# KiCad board DG Nova PSU Connector Board w_start-up sequence.kicad_pcb
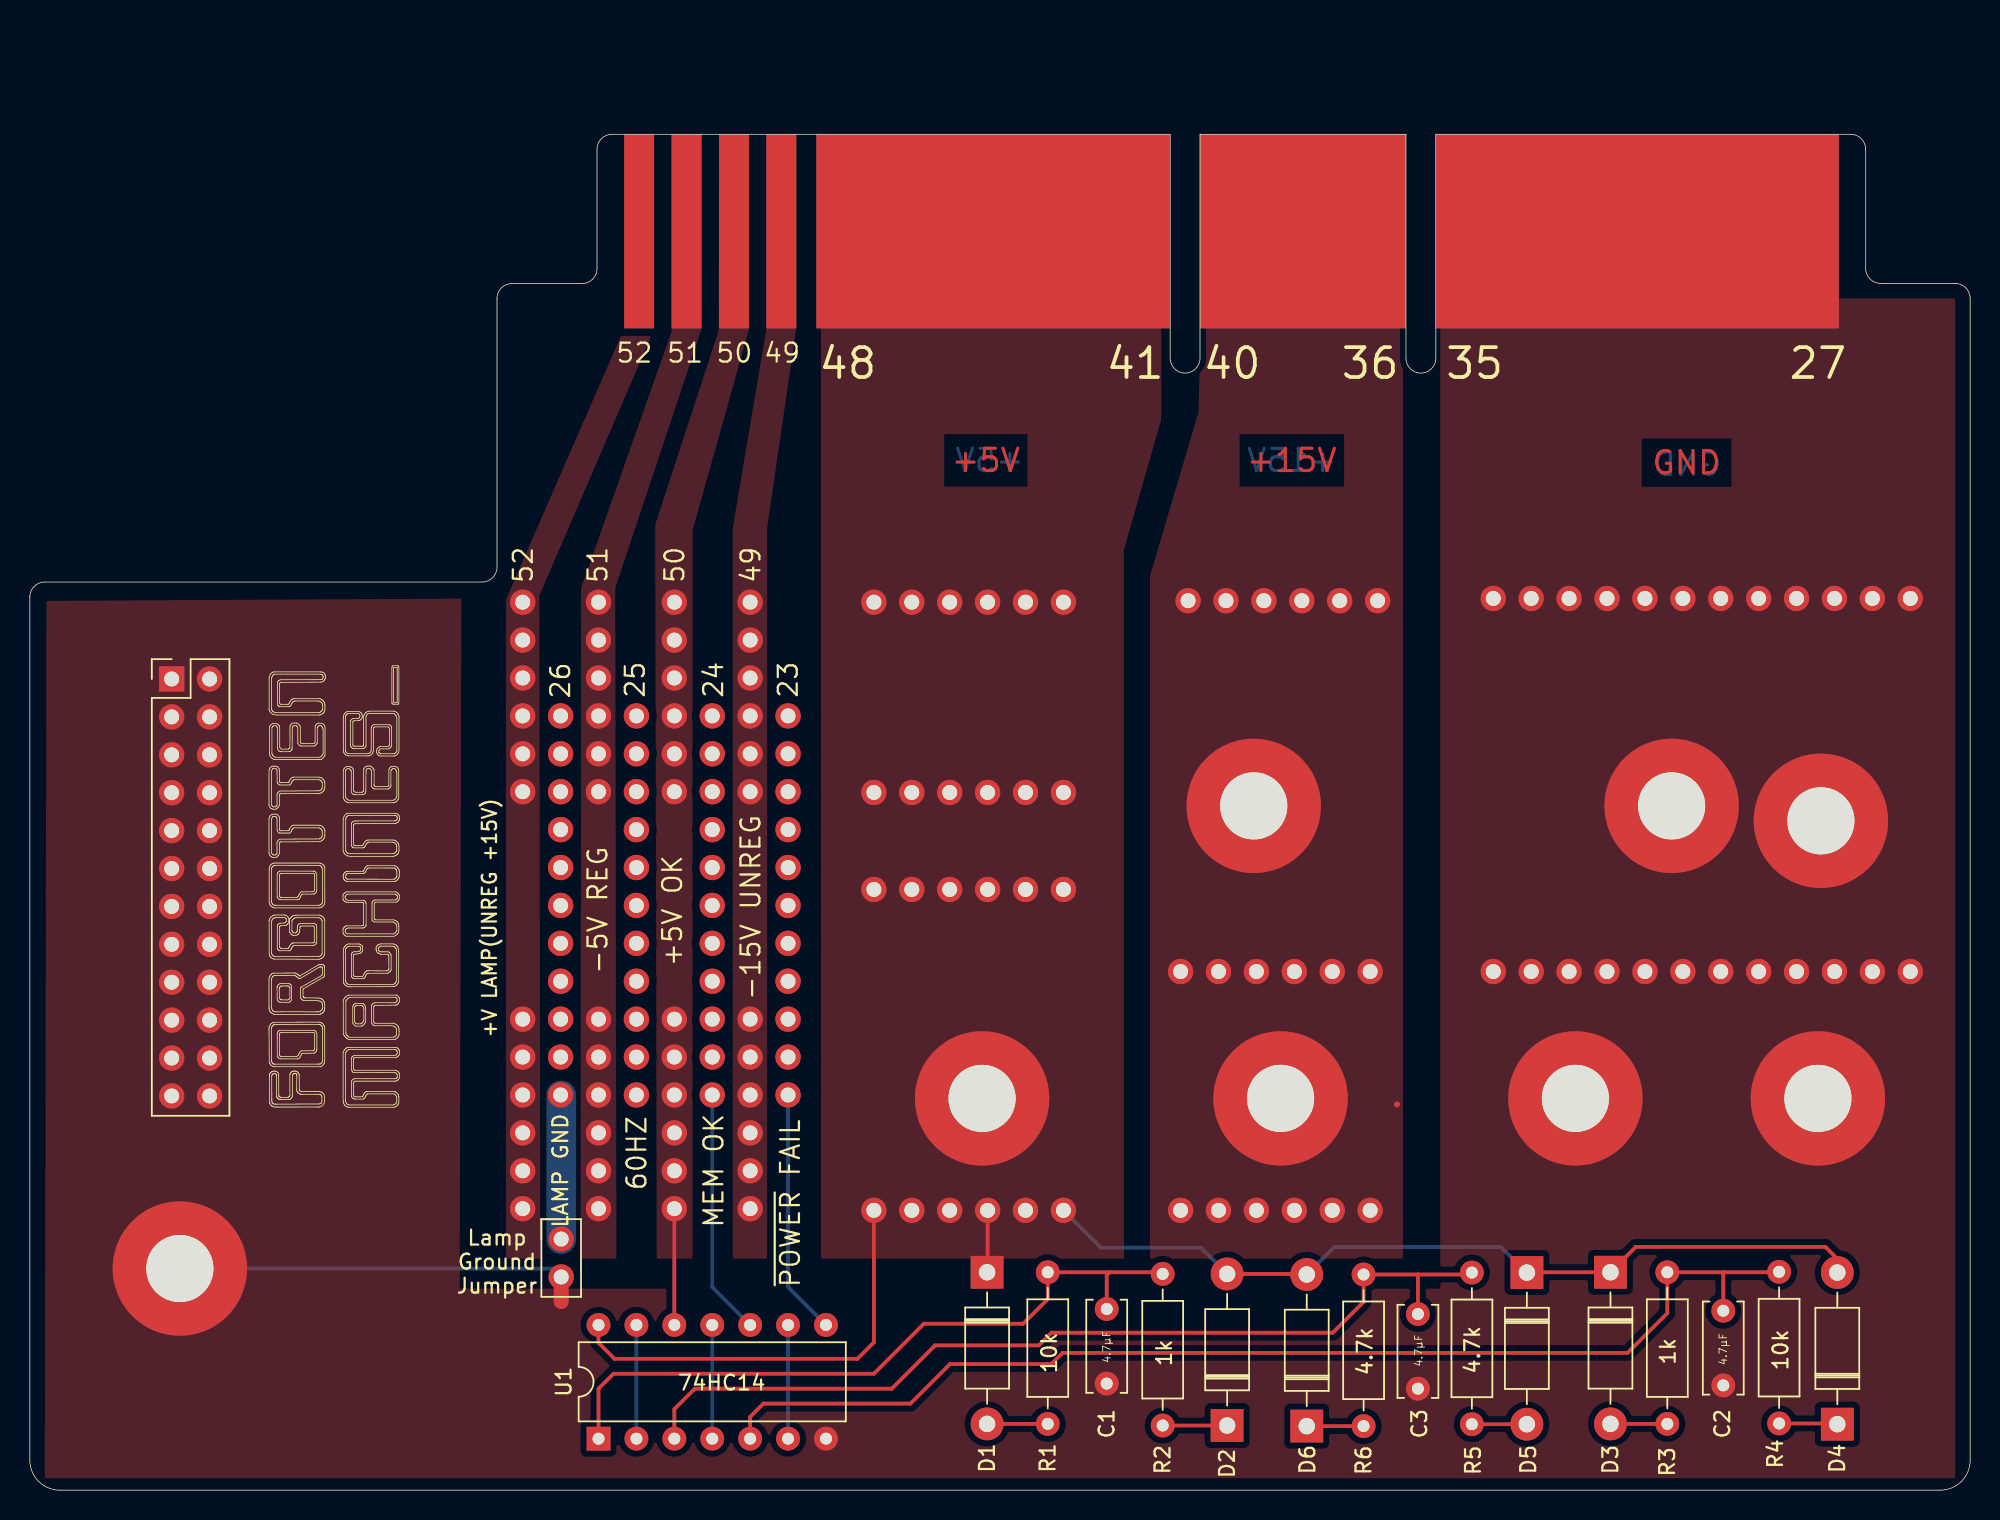
[diagram p0: board, top side]
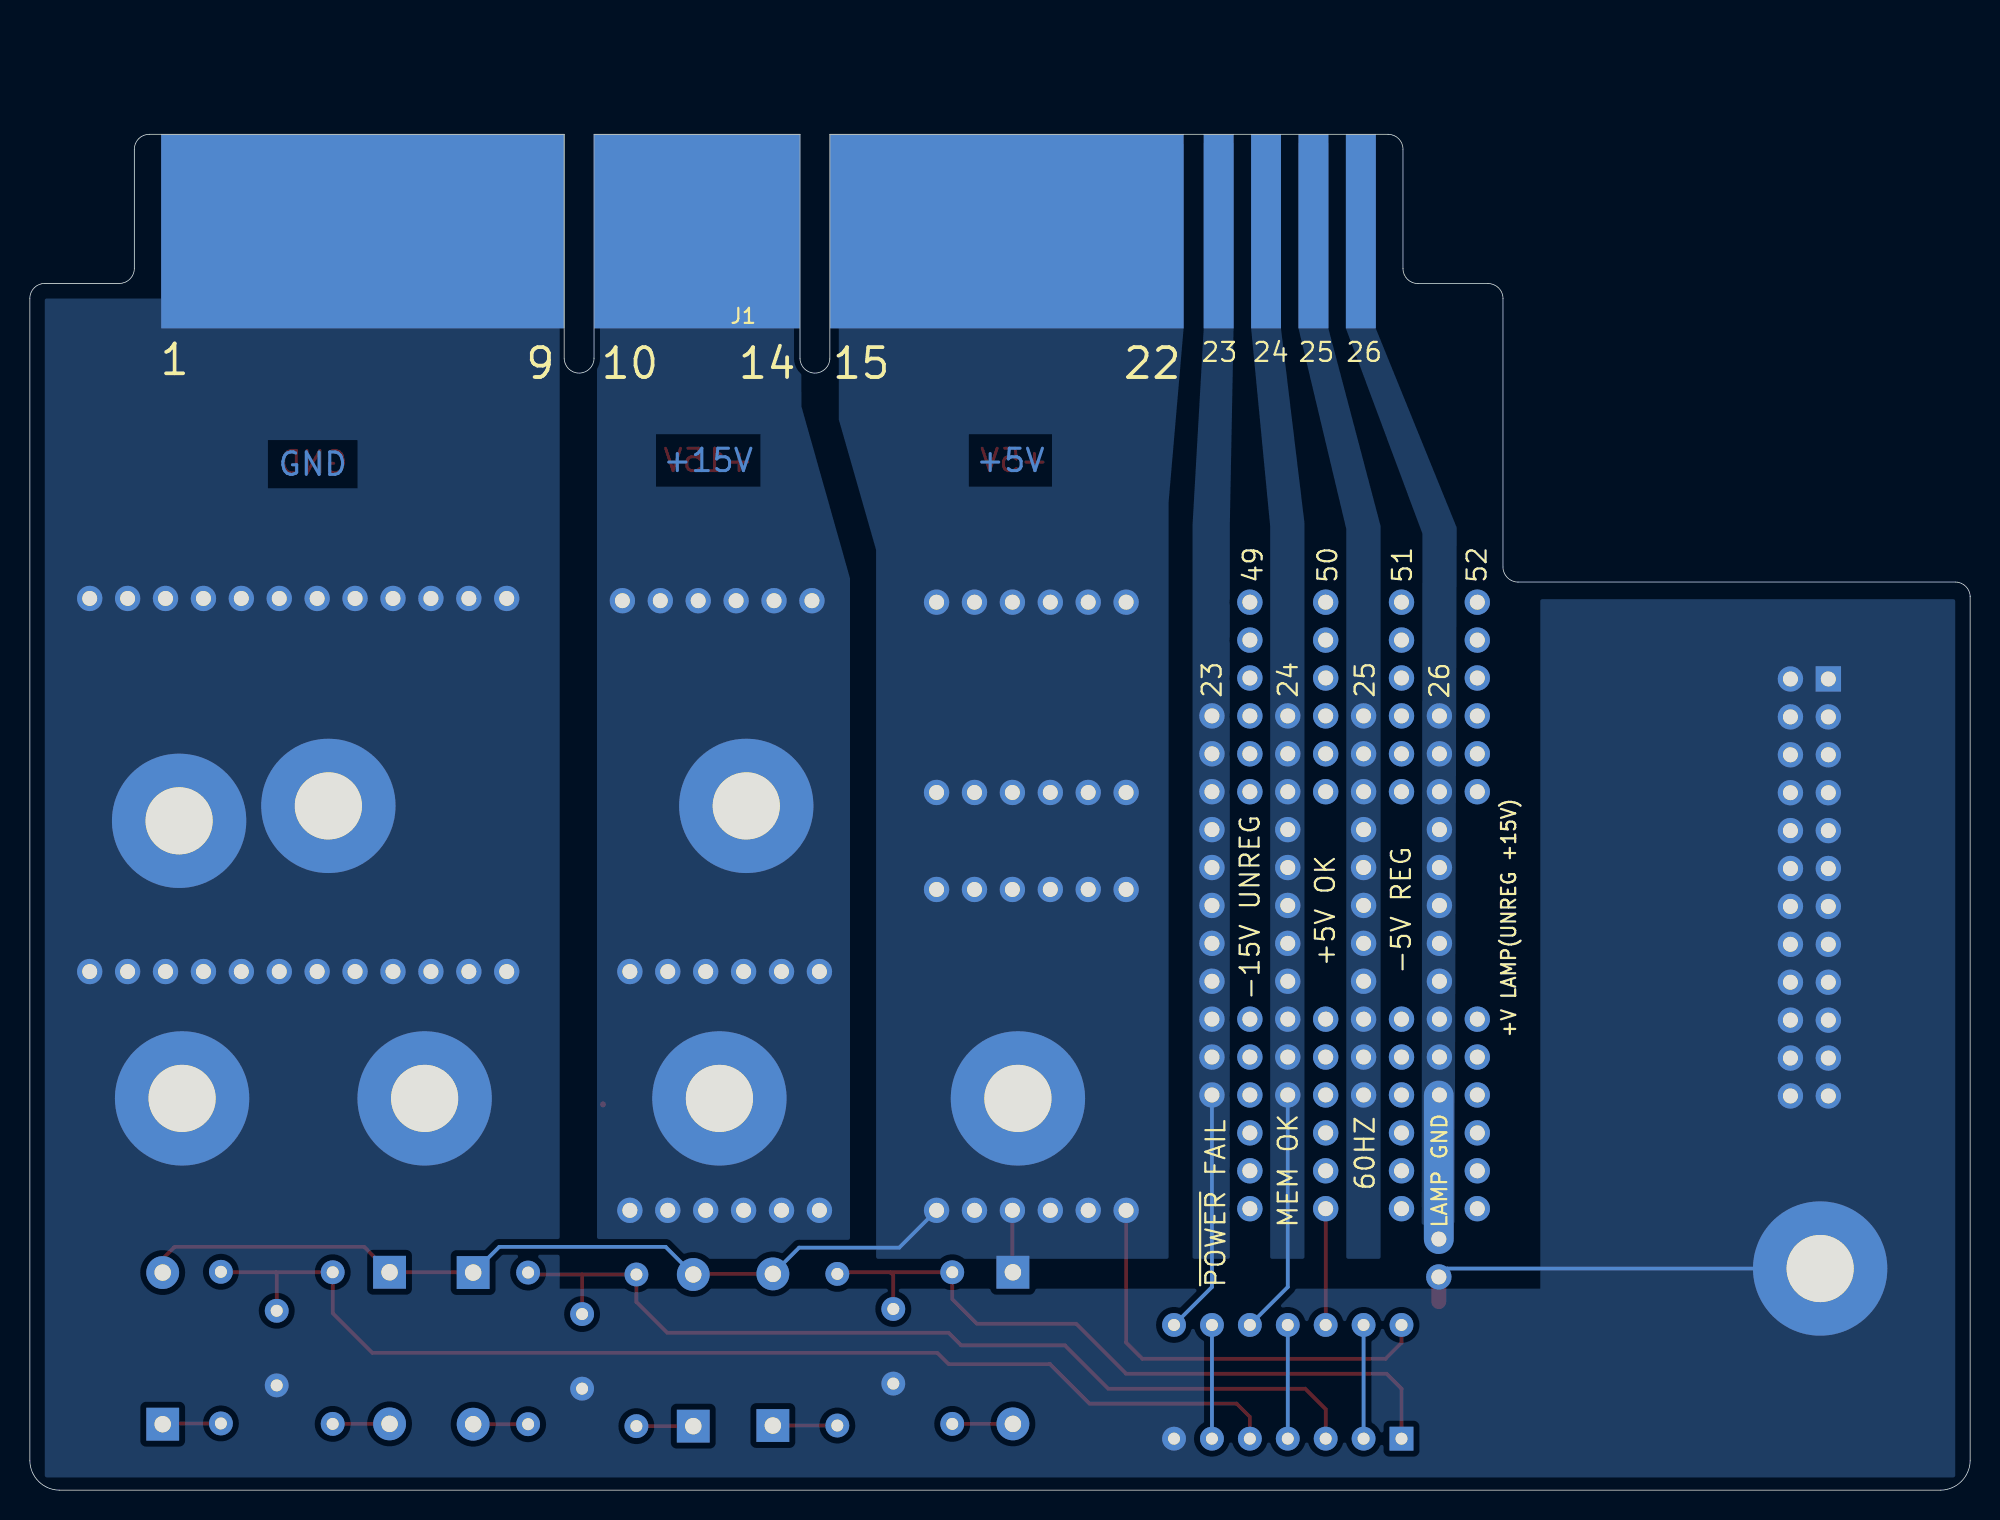
[diagram p1: board, bottom side, seen from below]

Outline 130 x 90.85 mm; copper layers: Top, Bottom. Coordinates in mm from the lower left corner of the outline.
Outline path: 0,59.85 arc(0.29,60.56) 1,60.85 30.29,60.85 arc(31,61.14) 31.3,61.85 ; 0,59.9 0,2 arc(0.59,0.59) 2,0 128,0 arc(129.41,0.59) 130,2 130,79.86 arc(129.71,80.57) 129,80.86 124,80.86 arc(123.29,81.15) 123,81.86 123,89.85 arc(122.71,90.56) 122,90.85 94.2,90.85 94.2,75.85 arc(93.2,74.85) 92.2,75.85 92.2,90.85 78.4,90.85 78.4,75.85 arc(77.4,74.85) 76.4,75.85 76.4,90.85 39,90.85 arc(38.29,90.56) 38,89.85 ; 31.3,61.86 31.3,79.85 arc(31.59,80.56) 32.3,80.85 37,80.85 arc(37.71,81.14) 38,81.85 38,89.84

## Placement (name value [footprint] x y rotation side)
   Conn_01x02  [PinHeader_1x02_P2.54mm_Vertical]  35.6 16.83 0 top
.  -  [PinHeader_2x12_P2.54mm_Vertical]  9.5 54.35 0 top
C1  C  [C_Disc_D6.0mm_W2.5mm_P5.00mm]  72.15 12.14 270 top
C2  C  [C_Disc_D6.0mm_W2.5mm_P5.00mm]  113.46 12.02 270 top
C3  C  [C_Disc_D6.0mm_W2.5mm_P5.00mm]  93 11.8 270 top
D1  1N4004  [D_DO-41_SOD81_P10.16mm_Horizontal]  64.14 14.6 270 top
D2  1N4004  [D_DO-41_SOD81_P10.16mm_Horizontal]  80.22 4.33 90 top
D3  1N4004  [D_DO-41_SOD81_P10.16mm_Horizontal]  105.9 14.6 270 top
D4  1N4004  [D_DO-41_SOD81_P10.16mm_Horizontal]  121.1 4.42 90 top
D5  1N4004  [D_DO-41_SOD81_P10.16mm_Horizontal]  100.3 14.58 270 top
D6  1N4004  [D_DO-41_SOD81_P10.16mm_Horizontal]  85.55 4.29 90 top
H1  MountingHole_Pad  [MountingHole_4.5mm_Pad]  120 44.85 0 bottom
H2  MountingHole_Pad  [MountingHole_4.5mm_Pad]  10.05 14.85 0 bottom
H4  MountingHole_Pad  [MountingHole_4.5mm_Pad]  110 45.85 0 bottom
H5  MountingHole_Pad  [MountingHole_4.5mm_Pad]  82 45.85 0 bottom
H6  MountingHole_Pad  [MountingHole_4.5mm_Pad]  63.8 26.25 0 top
H7  MountingHole_Pad  [MountingHole_4.5mm_Pad]  103.55 26.25 0 top
H8  MountingHole_Pad  [MountingHole_4.5mm_Pad]  83.8 26.25 0 top
H9  MountingHole_Pad  [MountingHole_4.5mm_Pad]  119.8 26.25 0 top
J1  Conn_02x07_Counter_Clockwise  [52 Pin Connector]  82.1 84.35 0 bottom
J2  Conn_01x12  [PinHeader_1x12_P2.54mm_Vertical]  98.05 59.75 90 top
J3  Conn_01x12  [PinHeader_1x12_P2.54mm_Vertical]  98.05 34.75 90 top
J8  Conn_01x06  [PinHeader_1x06_P2.54mm]  77.6 59.6 90 top
J9  Conn_01x06  [PinHeader_1x06_P2.54mm]  77.1 34.75 90 top
J10  Conn_01x06  [PinHeader_1x06_P2.54mm]  77.1 18.75 90 top
J11  Conn_01x06  [PinHeader_1x06_P2.54mm]  56.55 59.5 90 top
J12  Conn_01x06  [PinHeader_1x06_P2.54mm]  56.55 46.75 90 top
J13  Conn_01x06  [PinHeader_1x06_P2.54mm]  56.55 40.25 90 top
J14  Conn_01x06  [PinHeader_1x06_P2.54mm]  56.55 18.75 90 top
J15  Conn_01x06  [PinHeader_1x06_P2.54mm]  48.26 59.5 0 top
J16  Conn_01x06  [PinHeader_1x06_P2.54mm]  48.26 31.56 0 top
J17  Conn_01x06  [PinHeader_1x06_P2.54mm]  43.18 59.5 0 top
J18  Conn_01x06  [PinHeader_1x06_P2.54mm]  43.18 31.56 0 top
J19  Conn_01x06  [PinHeader_1x06_P2.54mm]  38.1 59.5 0 top
J20  Conn_01x06  [PinHeader_1x06_P2.54mm]  38.1 31.56 0 top
J21  Conn_01x06  [PinHeader_1x06_P2.54mm]  33.02 59.5 0 top
J22  Conn_01x06  [PinHeader_1x06_P2.54mm]  33.02 31.56 0 top
J23  Conn_01x11  [PinHeader_1x11_P2.54mm]  50.8 51.88 0 top
J24  Conn_01x11  [PinHeader_1x11_P2.54mm]  45.72 51.88 0 top
J25  Conn_01x11  [PinHeader_1x11_P2.54mm]  40.64 51.88 0 top
J26  Conn_01x11  [PinHeader_1x11_P2.54mm]  35.56 51.88 0 top
R1  10K  [R_Axial_DIN0207_L6.3mm_D2.5mm_P10.16mm_Horizontal]  68.2 4.44 90 top
R2  10K  [R_Axial_DIN0207_L6.3mm_D2.5mm_P10.16mm_Horizontal]  75.9 14.49 270 top
R3  10K  [R_Axial_DIN0207_L6.3mm_D2.5mm_P10.16mm_Horizontal]  109.71 4.44 90 top
R4  10K  [R_Axial_DIN0207_L6.3mm_D2.5mm_P10.16mm_Horizontal]  117.2 14.63 270 top
R5  10K  [R_Axial_DIN0207_L6.3mm_D2.5mm_P10.16mm_Horizontal]  96.62 4.42 90 top
R6  10K  [R_Axial_DIN0207_L6.3mm_D2.5mm_P10.16mm_Horizontal]  89.36 14.45 270 top
U1  74HC14  [DIP-14_W7.62mm]  38.1 3.45 90 top

## Footprints (pads in the part's own frame, mm; a bottom-side part is the same pattern mirrored in y, then rotated)
52 Pin Connector
  rect 27x13 smd: 1(25.6,0)
  rect 13.8x13 smd: 2(3.2,0)
  rect 23.7x13 smd: 3(-17.55,0)
  rect 2x13 smd: 4(-31.75,0) 5(-34.925,0) 6(-38.1,0) 7(-41.275,0)
  rect 27x13 smd far side: 8(25.6,0)
  rect 13.8x13 smd far side: 9(3.2,0)
  rect 23.7x13 smd far side: 10(-17.55,0)
  rect 2x13 smd far side: 11(-31.75,0) 12(-34.925,0) 13(-38.1,0) 14(-41.275,0)
C_Disc_D6.0mm_W2.5mm_P5.00mm
  round 1.6 hole 0.8: 1(0,0) 2(5,0)
D_DO-41_SOD81_P10.16mm_Horizontal
  rect 2.2x2.2 hole 1.1: 1(0,0)
  oval 2.2x2.2 hole 1.1: 2(10.16,0)
DIP-14_W7.62mm
  rect 1.6x1.6 hole 0.8: 1(0,0)
  oval 1.6x1.6 hole 0.8: 2(0,-2.54) 3(0,-5.08) 4(0,-7.62) 5(0,-10.16) 6(0,-12.7) 7(0,-15.24) 8(7.62,-15.24) 9(7.62,-12.7) 10(7.62,-10.16) 11(7.62,-7.62) 12(7.62,-5.08) 13(7.62,-2.54) 14(7.62,0)
MountingHole_4.5mm_Pad
  round 9 hole 4.5: 1(0,0)
PinHeader_1x02_P2.54mm_Vertical
  round 1.7 hole 1: 1(0,0)
  oval 1.7x1.7 hole 1: 2(0,-2.54)
PinHeader_1x06_P2.54mm
  round 1.7 hole 1: 1(0,0)
  oval 1.7x1.7 hole 1: 2(0,-2.54) 3(0,-5.08) 4(0,-7.62) 5(0,-10.16) 6(0,-12.7)
PinHeader_1x11_P2.54mm
  round 1.7 hole 1: 1(0,0)
  oval 1.7x1.7 hole 1: 2(0,-2.54) 3(0,-5.08) 4(0,-7.62) 5(0,-10.16) 6(0,-12.7) 7(0,-15.24) 8(0,-17.78) 9(0,-20.32) 10(0,-22.86) 11(0,-25.4)
PinHeader_1x12_P2.54mm_Vertical
  round 1.7 hole 1: 1(0,0)
  oval 1.7x1.7 hole 1: 2(0,-2.54) 3(0,-5.08) 4(0,-7.62) 5(0,-10.16) 6(0,-12.7) 7(0,-15.24) 8(0,-17.78) 9(0,-20.32) 10(0,-22.86) 11(0,-25.4) 12(0,-27.94)
PinHeader_2x12_P2.54mm_Vertical
  rect 1.7x1.7 hole 1: 1(0,0)
  oval 1.7x1.7 hole 1: 2(2.54,0) 3(0,-2.54) 4(2.54,-2.54) 5(0,-5.08) 6(2.54,-5.08) 7(0,-7.62) 8(2.54,-7.62) 9(0,-10.16) 10(2.54,-10.16) 11(0,-12.7) 12(2.54,-12.7) 13(0,-15.24) 14(2.54,-15.24) 15(0,-17.78) 16(2.54,-17.78) 17(0,-20.32) 18(2.54,-20.32) 19(0,-22.86) 20(2.54,-22.86) 21(0,-25.4) 22(2.54,-25.4) 23(0,-27.94) 24(2.54,-27.94)
R_Axial_DIN0207_L6.3mm_D2.5mm_P10.16mm_Horizontal
  round 1.6 hole 0.8: 1(0,0)
  oval 1.6x1.6 hole 0.8: 2(10.16,0)

## Nets
+5V: D1.1 D2.2 D3.1 D4.2 D5.1 D6.2 H6.1 J1.3 J1.10 J11.1 J11.2 J11.3 J11.4 J11.5 J11.6 J12.1 J12.2 J12.3 J12.4 J12.5 J12.6 J13.1 J13.2 J13.3 J13.4 J13.5 J13.6 J14.1 J14.2 J14.3 J14.4 J14.5 J14.6 U1.14
+15V: H5.1 H8.1 J1.2 J1.9 J8.1 J8.2 J8.3 J8.4 J8.5 J8.6 J9.1 J9.2 J9.3 J9.4 J9.5 J9.6 J10.1 J10.2 J10.3 J10.4 J10.5 J10.6
GND:  .2 ..1 ..2 ..3 ..4 ..5 ..6 ..7 ..8 ..9 ..10 ..11 ..12 ..13 ..14 ..15 ..16 ..17 ..18 ..19 ..20 ..21 ..22 ..23 ..24 C1.2 C2.2 C3.2 H1.1 H2.1 H4.1 H7.1 H9.1 J1.1 J1.8 J2.1 J2.2 J2.3 J2.4 J2.5 J2.6 J2.7 J2.8 J2.9 J2.10 J2.11 J2.12 J3.1 J3.2 J3.3 J3.4 J3.5 J3.6 J3.7 J3.8 J3.9 J3.10 J3.11 J3.12 U1.7
14: J21.1 J21.2 J21.3 J21.4 J21.5 J21.6 J22.1 J22.2 J22.3 J22.4 J22.5 J22.6
23 PWR FAIL: J1.4 J23.1 J23.2 J23.3 J23.4 J23.5 J23.6 J23.7 J23.8 J23.9 J23.10 J23.11 U1.8
24 MEM OK: J1.5 J24.1 J24.2 J24.3 J24.4 J24.5 J24.6 J24.7 J24.8 J24.9 J24.10 J24.11 U1.10
25: J1.6 J25.1 J25.2 J25.3 J25.4 J25.5 J25.6 J25.7 J25.8 J25.9 J25.10 J25.11
26: J1.7 J26.1 J26.2 J26.3 J26.4 J26.5 J26.6 J26.7 J26.8 J26.9
49: J1.11 J15.1 J15.2 J15.3 J15.4 J15.5 J15.6 J16.1 J16.2 J16.3 J16.4 J16.5 J16.6
50 +5v OK: J1.12 J17.1 J17.2 J17.3 J17.4 J17.5 J17.6 J18.1 J18.2 J18.3 J18.4 J18.5 J18.6 U1.12
51: J1.13 J19.1 J19.2 J19.3 J19.4 J19.5 J19.6 J20.1 J20.2 J20.3 J20.4 J20.5 J20.6
52: J1.14
LampGND:  .1 J26.10 J26.11
Net-(C1-Pad1): C1.1 R1.2 R2.1 U1.1
Net-(C2-Pad1): C2.1 R3.2 R4.1 U1.5
Net-(C3-Pad1): C3.1 R5.2 R6.1 U1.3
Net-(D1-Pad2): D1.2 R1.1
Net-(D2-Pad1): D2.1 R2.2
Net-(D3-Pad2): D3.2 R3.1
Net-(D4-Pad1): D4.1 R4.2
Net-(D5-Pad2): D5.2 R5.1
Net-(D6-Pad1): D6.1 R6.2
Net-(U1-Pad9): U1.6 U1.9
Net-(U1-Pad11): U1.4 U1.11
Net-(U1-Pad13): U1.2 U1.13

## Routing (per net, layer and track width the routed paths; a pad name or vN(x,y) marks a point on that pad's centre or on a via; arc(x,y) is an arc through that point)
+5V: length 91.8
  Top w0.25: D1.1 64.17,14.63 J14.4 ; D6.2 85.51,14.49 D2.2 80.22,15.28 ; J14.1 56.55,9.9 55.45,8.8 39.17,8.8 38.1,9.88 U1.14 ; 100.58,14.3 D5.1 100.32,14.6 D3.1 107.6,16.3 120.3,16.3 121.1,15.5 D4.2
  Bottom w0.25: J14.6 71.75,16.25 78.46,16.25 D2.2 ; D5.1 100.27,14.58 98.55,16.3 87.4,16.3 D6.2
GND: length 27.4
  Top w1:  .2 35.6,12.63
  Bottom w0.25: H2.1 35.03,14.85  .2
23 PWR FAIL: length 16.5
  Bottom w0.25: J23.11 50.8,13.61 U1.8
24 MEM OK: length 16.5
  Bottom w0.25: U1.10 45.72,13.61 J24.11
50 +5v OK: length 7.8
  Top w0.25: J18.6 U1.12
LampGND: length 9.7
  Bottom w0.25: 35.6,26.44 J26.11
  Bottom w2:  .1 35.6,26.44
Net-(C1-Pad1): length 48
  Top w0.25: 72.35,14.6 R1.2 68.2,12.8 66.55,11.15 59.9,11.15 56.55,7.8 39.1,7.8 38.1,6.8 U1.1 ; 72.35,14.6 72.15,14.4 C1.1 ; 72.35,14.6 75.79,14.6 R2.1
Net-(C2-Pad1): length 78.6
  Top w0.25: 113.5,14.6 113.46,14.56 C2.1 ; 113.5,14.6 R3.2 109.71,11.86 107.05,9.2 69.2,9.2 68.45,8.45 61.65,8.45 59,5.8 49.15,5.8 48.26,4.91 U1.5 ; 113.5,14.6 117.17,14.6 R4.1
Net-(C3-Pad1): length 62.9
  Top w0.25: R5.2 96.49,14.45 93,14.45 ; 93,14.45 C3.1 ; 93,14.45 R6.1 89.36,12.61 87.3,10.55 68.45,10.55 67.6,9.7 60.65,9.7 57.75,6.8 44.55,6.8 43.18,5.43 U1.3
Net-(D1-Pad2): length 4.1
  Top w0.25: D1.2 R1.1
Net-(D2-Pad1): length 4.3
  Top w0.25: R2.2 D2.1
Net-(D3-Pad2): length 3.8
  Top w0.25: D3.2 105.9,4.45 105.91,4.44 R3.1
Net-(D4-Pad1): length 3.9
  Top w0.25: D4.1 121.05,4.47 R4.2
Net-(D5-Pad2): length 3.7
  Top w0.25: R5.1 D5.2
Net-(D6-Pad1): length 3.8
  Top w0.25: D6.1 R6.2
Net-(U1-Pad9): length 7.6
  Bottom w0.25: U1.9 U1.6
Net-(U1-Pad11): length 7.6
  Bottom w0.25: U1.11 U1.4
Net-(U1-Pad13): length 7.6
  Bottom w0.25: U1.13 U1.2

## Copper pours and planes (outline as drawn; the poured copper is in the pictures)
+5V on Top: 75.8,71.73 73.3,63 73.3,15.5 53,15.5 53,90.23 75.8,90.23
+5V on Bottom: 75.8,71.73 73.3,63 73.3,15.5 53.7,15.5 53.7,66.25 52.7,77.83 52.7,90.25 75.8,90.23
+15V on Top: 92,90.85 78.75,90.85 78.3,72.25 75.05,61.25 75.05,15.5 92,15.5
+15V on Bottom: 92,90.85 78.4,90.85 78.3,72.6 75.05,61.1 75.05,15.5 92,15.5
GND on Top: 129,79.85 121,79.85 121,89.85 94.5,89.85 94.5,13.5 28.8,13.5 28.91,59.74 1.11,59.59 1,0.8 129,0.8
GND on Bottom: 129,79.85 121,79.85 121,89.85 94.5,89.85 94.5,13.5 28.8,13.5 28.8,59.7 1,59.7 1,0.85 129,0.85
14 on Top: 41.83,77.78 34.14,59.94 34.2,15.5 31.9,15.5 31.9,59.69 39.83,77.85 39.83,90.75 41.83,90.75
23 PWR FAIL on Bottom: 51.35,77.85 52.1,64.67 52.1,15.5 49.6,15.5 49.6,64.8 49.35,77.85 49.35,90.75 51.35,90.75
24 MEM OK on Bottom: 48.17,77.85 46.9,64.6 46.9,15.5 44.6,15.5 44.6,64.8 46.17,77.85 46.17,90.7 48.17,90.7
25 on Bottom: 45,77.85 41.8,64.4 41.8,15.5 39.5,15.5 39.5,64.6 43,77.85 43,90.7 45,90.7
26 on Bottom: 41.83,77.85 36.7,64.1 36.75,15.5 34.55,15.5 34.4,64.5 39.83,77.85 39.83,90.65 41.83,90.65
49 on Top: 51.35,77.85 49.4,64.5 49.4,15.5 47.1,15.5 47.1,64.5 49.35,77.85 49.35,90.75 51.35,90.75
50 +5v OK on Top: 48.17,77.75 44.4,64.3 44.4,15.5 42,15.5 41.9,64.7 46.15,77.7 46.17,90.75 48.17,90.75
51 on Top: 45,77.78 39.22,60.45 39.3,15.5 36.9,15.5 36.93,60.45 43,77.65 43,90.75 45,90.75

## Text on the board
Bottom: +5V | +15V | GND
B.Silkscreen: +V LAMP(UNREG +15V) | LAMP GND | 60HZ | MEM OK | ~{POWER} FAIL | 26 | 25 | 24 | 23 | -5V REG | +5V OK | -15V UNREG | 52 | 51 | 50 | 49 | 22 | 15 | 14 | 10 | 9 | 1
Top: +5V | +15V | GND
F.Silkscreen: 4.7µF | +V LAMP(UNREG +15V) | Lamp / Ground / Jumper | 74HC14 | LAMP GND | 10k | 1k | 4.7k | 52 | 51 | 50 | 49 | -5V REG | 60HZ | +5V OK | MEM OK | -15V UNREG | ~{POWER} FAIL | 26 | 25 | 24 | 23 | 48 | 41 | 40 | 36 | 35 | 27
